# KiCad board sun3_60_layout2_routing2.kicad_pcb
title: SUN 3/60; date: 2025-03-08; rev: 1
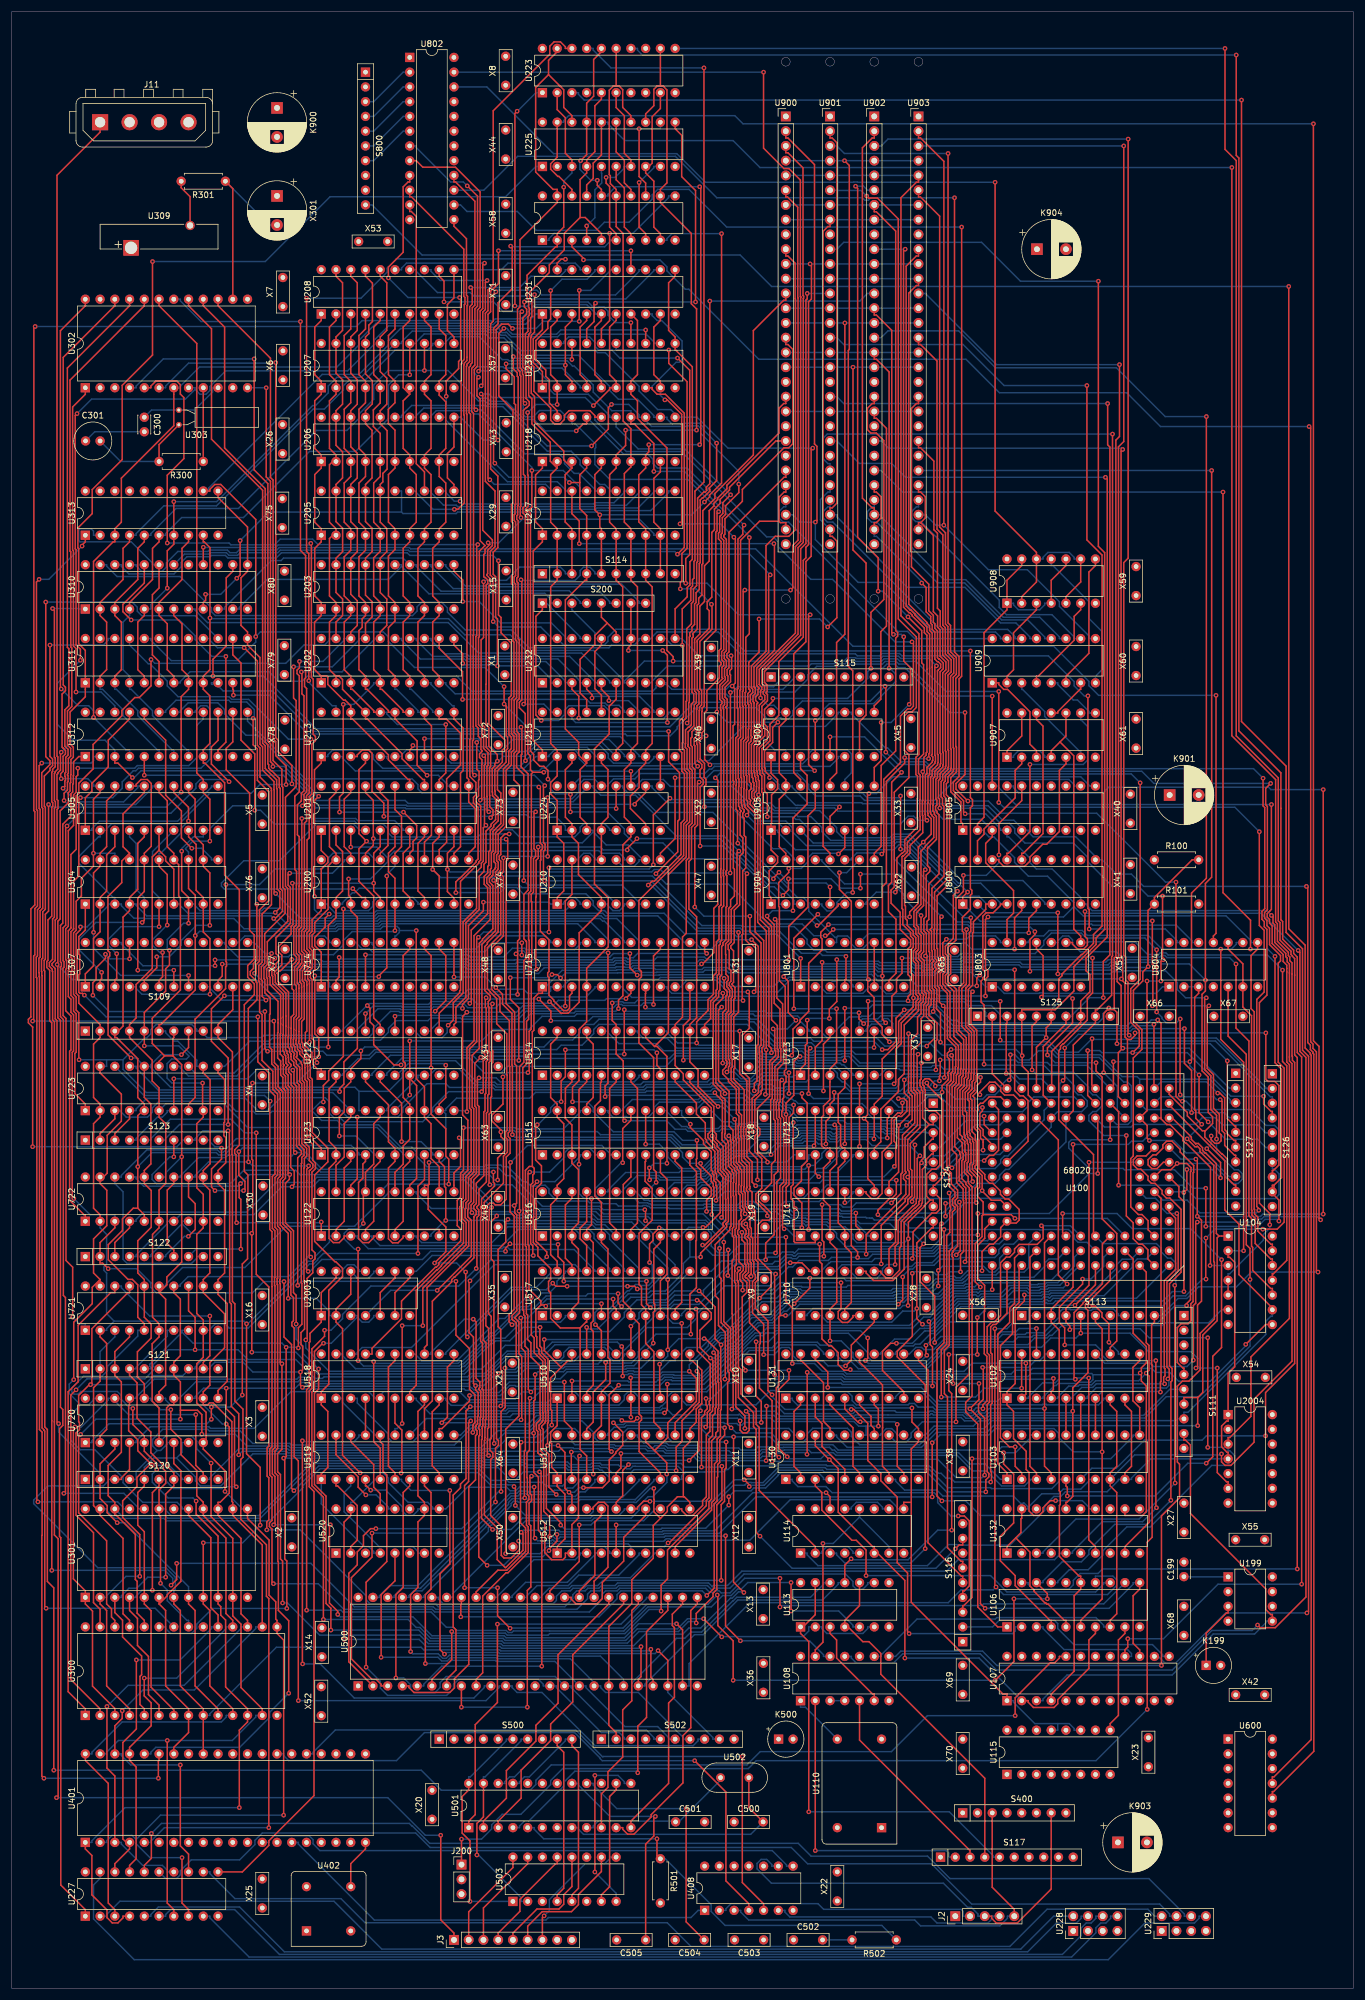
[diagram p0: board, top side]
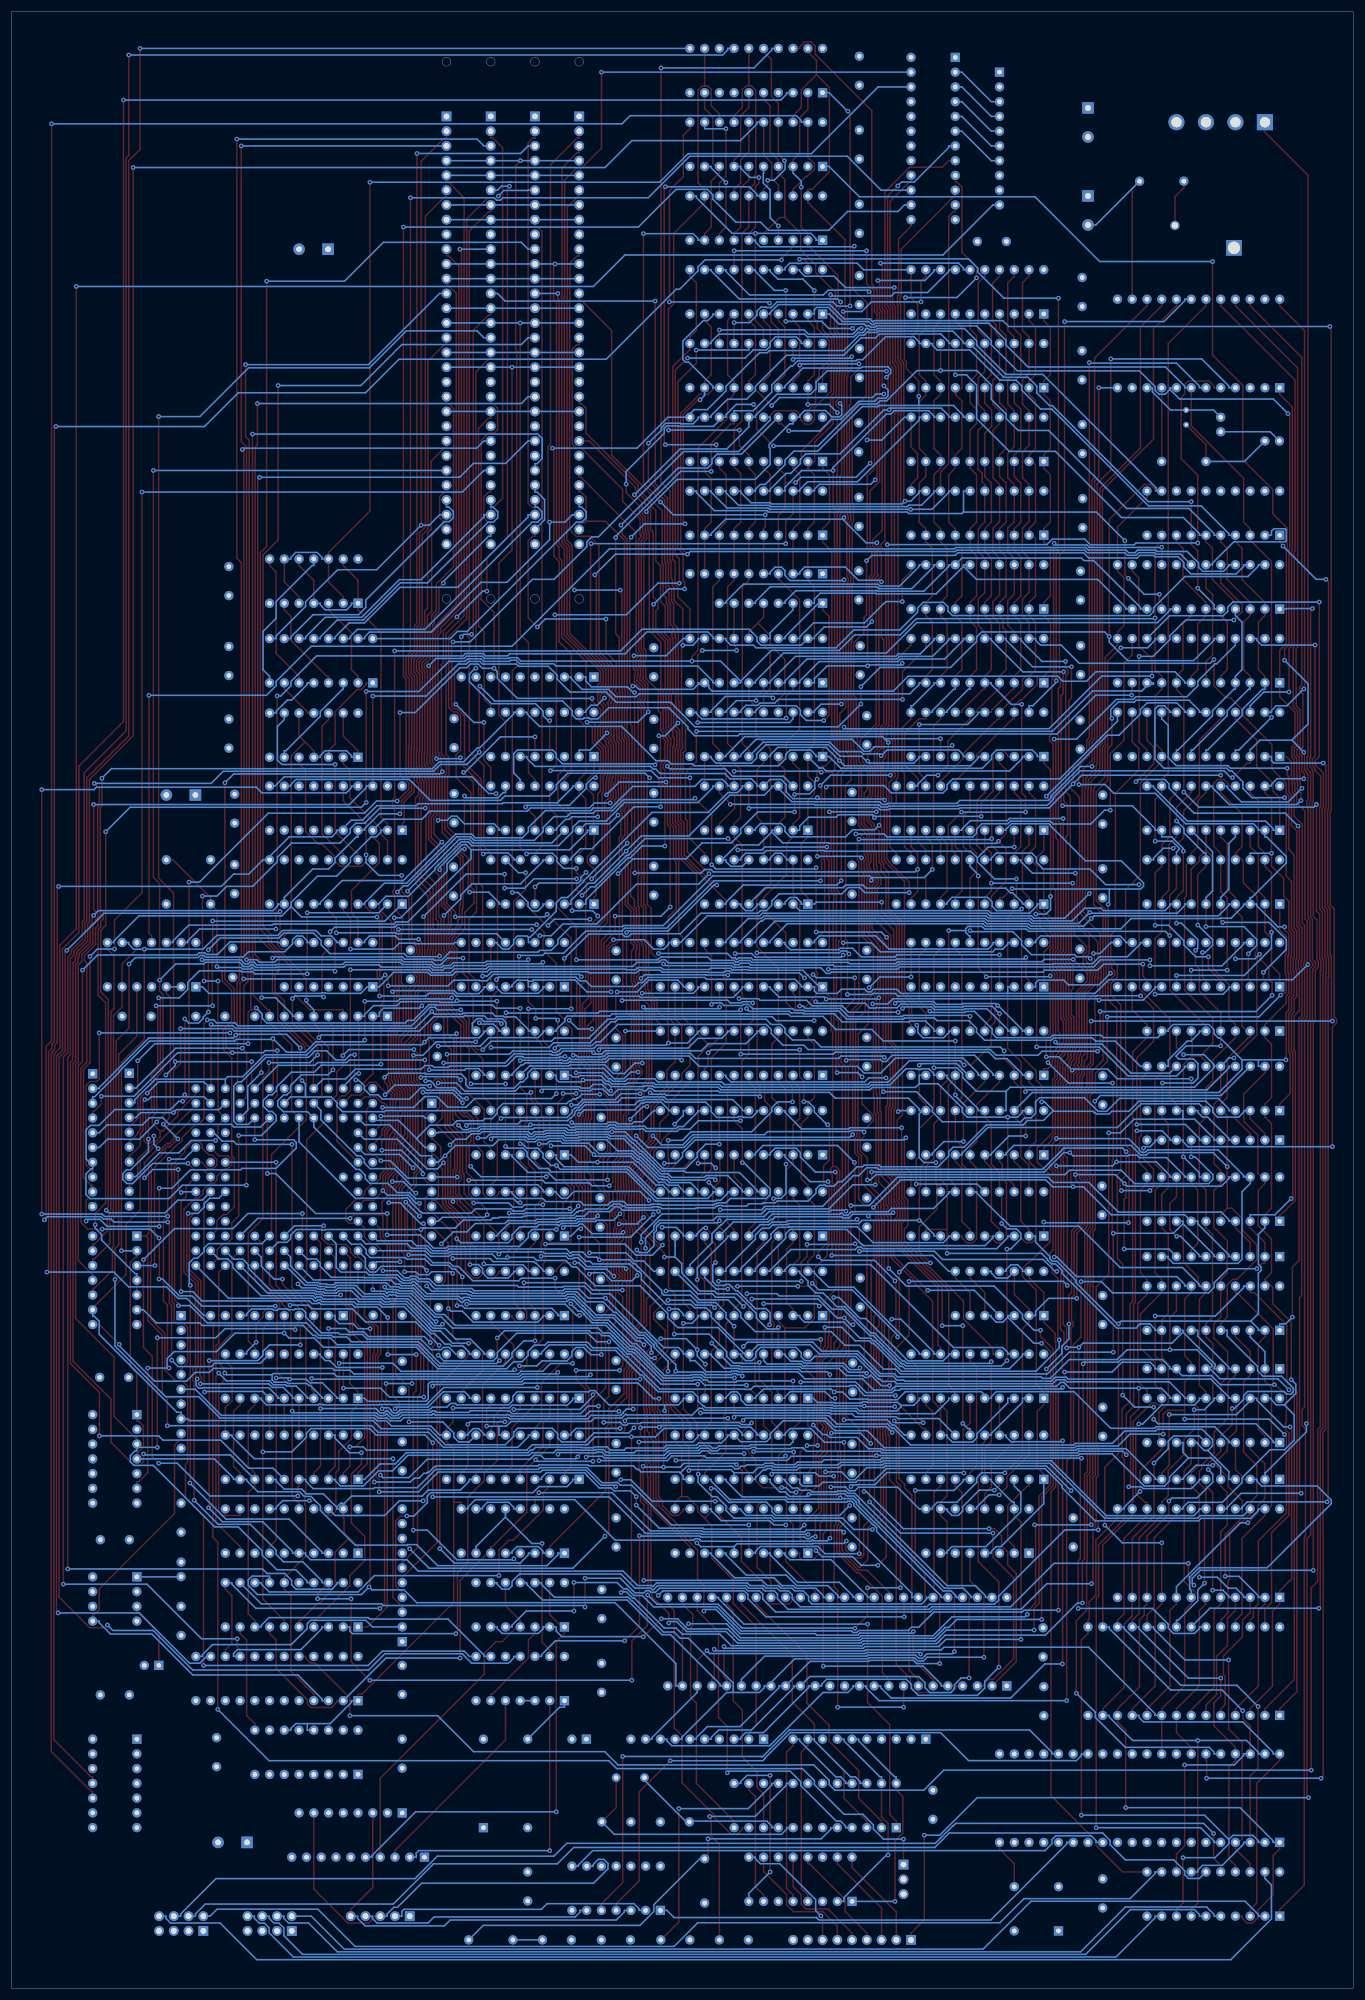
[diagram p1: board, bottom side, seen from below]

Outline 231.14 x 340.36 mm; copper layers: Top, In1.Cu, In2.Cu, Bottom. Coordinates in mm from the lower left corner of the outline.
Outline path: rectangle 0,340.36 231.14,0 ; circle c133.37,331.73 r0.75 ; circle c133.37,239.25 r0.75 ; circle c140.99,331.73 r0.75 ; circle c140.99,239.25 r0.75 ; circle c148.6,331.73 r0.75 ; circle c148.6,239.25 r0.75 ; circle c156.22,331.73 r0.75 ; circle c156.22,239.25 r0.75
Stack: Top 0.035mm / dielectric 0.1mm FR4 er 4.5 / In1.Cu 0.035mm / dielectric 1.24mm FR4 er 4.5 / In2.Cu 0.035mm / dielectric 0.1mm FR4 er 4.5 / Bottom 0.035mm

## Placement (name value [footprint] x y rotation side)
C199  0.1UF  [C_Disc_D3.0mm_W2.0mm_P2.50mm]  201.94 70.9 90 top
C300  18-PF  [C_Disc_D3.0mm_W2.0mm_P2.50mm]  22.86 270.52 270 top
C301  9-35PF  [C_Radial_D6.3mm_H5.0mm_P2.50mm]  12.74 266.44 0 top
C500  20 pF  [C_Rect_L7.0mm_W2.0mm_P5.00mm]  124.46 28.67 0 top
C501  20 pF  [C_Rect_L7.0mm_W2.0mm_P5.00mm]  114.38 28.67 0 top
C502  680 pF  [C_Rect_L7.0mm_W2.0mm_P5.00mm]  134.7 8.35 0 top
C503  0.1uF  [C_Rect_L7.0mm_W2.0mm_P5.00mm]  129.54 8.35 180 top
C504  0.1uF  [C_Rect_L7.0mm_W2.0mm_P5.00mm]  119.3 8.35 180 top
C505  0.0056uF  [C_Rect_L7.0mm_W2.0mm_P5.00mm]  109.22 8.35 180 top
J2  Serial A/B  [PinHeader_1x05_P2.54mm_Vertical]  162.56 12.44 90 top
J3  Ethernet  [PinHeader_1x09_P2.54mm_Vertical]  76.2 8.35 90 top
J11  Conn_01x04_Pin  [TE_MATE-N-LOK_350211-1_1x04_P5.08mm_Vertical]  15.24 321.32 0 top
J200  DIAG  [PinHeader_1x03_P2.54mm_Vertical]  77.5 21.31 0 top
K199  10UF  [CP_Radial_Tantal_D6.0mm_P2.50mm]  205.78 55.62 0 top
K500  10 uF  [CP_Radial_Tantal_D6.0mm_P2.50mm]  132.12 42.92 0 top
K900  1000uF  [CP_Radial_D10.0mm_P5.00mm]  45.72 323.78 270 top
K901  1000uF  [CP_Radial_D10.0mm_P5.00mm]  199.49 205.48 0 top
K903  1000uF  [CP_Radial_D10.0mm_P5.00mm]  190.58 25.13 0 top
K904  1000uF  [CP_Radial_D10.0mm_P5.00mm]  176.62 299.46 0 top
R100  150 ohm  [R_Axial_DIN0207_L6.3mm_D2.5mm_P7.62mm_Horizontal]  196.87 194.32 0 top
R101  100 ohm  [R_Axial_DIN0207_L6.3mm_D2.5mm_P7.62mm_Horizontal]  196.87 186.7 0 top
R300  200Kohm  [R_Axial_DIN0207_L6.3mm_D2.5mm_P7.62mm_Horizontal]  33.02 262.9 180 top
R301  470-OHM  [R_Axial_DIN0207_L6.3mm_D2.5mm_P7.62mm_Horizontal]  36.83 311.16 180 top
R501  510 Ohm  [R_Axial_DIN0207_L6.3mm_D2.5mm_P7.62mm_Horizontal]  111.76 22.32 270 top
R502  3K Ohm  [R_Axial_DIN0207_L6.3mm_D2.5mm_P7.62mm_Horizontal]  152.4 8.35 180 top
S109  4.7k Ohm  [R_Array_SIP10]  12.7 164.84 0 top
S111  4.7k Ohm  [R_Array_SIP10]  201.94 115.84 270 top
S113  470 Ohm  [R_Array_SIP10]  174 115.84 0 top
S114  1k Ohm  [R_Array_SIP10]  91.44 243.58 0 top
S115  470 Ohm  [R_Array_SIP10]  130.82 225.8 0 top
S116  470 Ohm  [R_Array_SIP10]  163.84 59.7 90 top
S117  4.7k Ohm  [R_Array_SIP10]  160.02 22.6 0 top
S120  4.7k Ohm  [R_Array_SIP10]  12.7 87.64 0 top
S121  4.7k Ohm  [R_Array_SIP10]  12.7 106.68 0 top
S122  4.7k Ohm  [R_Array_SIP10]  12.7 126.01 0 top
S123  4.7k Ohm  [R_Array_SIP10]  12.7 146.06 0 top
S124  4.7k Ohm  [R_Array_SIP10]  158.77 152.4 270 top
S125  4.7k Ohm  [R_Array_SIP10]  166.38 167.38 0 top
S126  4.7k Ohm  [R_Array_SIP10]  217.18 157.48 270 top
S127  4.7k Ohm  [R_Array_SIP10]  210.86 157.56 270 top
S200  68 Ohm  [R_Array_SIP8]  91.44 238.5 0 top
S400  4.7K Ohm  [R_Array_SIP8]  163.84 30.22 0 top
S500  40.2 Ohm 1%  [R_Array_SIP10]  73.66 42.92 0 top
S502  1K Ohm  [R_Array_SIP10]  101.6 42.92 0 top
S800  4.7k Ohm  [R_Array_SIP10]  60.96 329.94 270 top
U100  -  [68020]  183.53 140.34 0 top
U102  PAL16L8  [DIP-20_W7.62mm]  171.47 101.6 90 top
U103  PAL16L8  [DIP-20_W7.62mm]  171.47 87.64 90 top
U104  74F04  [DIP-14_W7.62mm]  209.56 129.54 0 top
U106  PAL16L8  [DIP-20_W7.62mm]  171.47 62.24 90 top
U107  PAL20X10  [DIP-24_W7.62mm]  171.47 49.54 90 top
U108  74F00  [DIP-14_W7.62mm]  135.91 49.54 90 top
U110  40.000 Mhz  [Oscillator_DIP-14]  149.86 27.68 90 top
U113  74AS74  [DIP-14_W7.62mm]  135.91 62.24 90 top
U114  74F175  [DIP-16_W7.62mm]  135.91 74.94 90 top
U115  74LS590  [DIP-16_W7.62mm]  171.47 36.84 90 top
U122  ALS374  [DIP-20_W7.62mm]  53.34 129.54 90 top
U123  ALS373  [DIP-20_W7.62mm]  53.34 143.52 90 top
U130  74F374  [DIP-20_W7.62mm]  133.37 87.64 90 top
U131  PAL16R6  [DIP-20_W7.62mm]  133.37 101.6 90 top
U132  ALS244  [DIP-20_W7.62mm]  171.47 74.94 90 top
U199  7705  [DIP-8_W7.62mm]  209.56 70.86 0 top
U200  7188  [DIP-22_W7.62mm]  53.34 186.7 90 top
U201  7188  [DIP-22_W7.62mm]  53.34 199.4 90 top
U202  2168  [DIP-20_W7.62mm]  53.34 224.8 90 top
U203  2168  [DIP-20_W7.62mm]  53.34 237.5 90 top
U205  2168  [DIP-20_W7.62mm]  53.34 250.2 90 top
U206  2168  [DIP-20_W7.62mm]  53.34 262.9 90 top
U207  2168  [DIP-20_W7.62mm]  53.34 275.6 90 top
U208  2168  [DIP-20_W7.62mm]  53.34 288.3 90 top
U210  LS2518  [DIP-16_W7.62mm]  93.98 186.7 90 top
U212  ALS245  [DIP-20_W7.62mm]  53.34 157.22 90 top
U213  ALS245  [DIP-20_W7.62mm]  53.34 212.1 90 top
U215  ALS245  [DIP-20_W7.62mm]  91.44 212.1 90 top
U217  ALS245  [DIP-20_W7.62mm]  91.44 250.2 90 top
U218  ALS245  [DIP-20_W7.62mm]  91.44 262.9 90 top
U223  74F534  [DIP-20_W7.62mm]  91.44 326.4 90 top
U224  AM27S19  [DIP-16_W7.62mm]  93.98 199.4 90 top
U225  ALS273  [DIP-20_W7.62mm]  91.44 313.7 90 top
U226  ALS373  [DIP-20_W7.62mm]  91.44 301 90 top
U227  ALS273  [DIP-20_W7.62mm]  12.7 12.44 90 top
U228  LED_Block  [PinHeader_2x04_P2.54mm_Vertical]  182.88 9.9 90 top
U229  LED_Block  [PinHeader_2x04_P2.54mm_Vertical]  198.12 9.9 90 top
U230  PAL16L8  [DIP-20_W7.62mm]  91.44 275.6 90 top
U231  PAL16L8  [DIP-20_W7.62mm]  91.44 288.3 90 top
U232  PAL16L8  [DIP-20_W7.62mm]  91.44 224.8 90 top
U300  27512  [DIP-28_W15.24mm]  12.7 47 90 top
U301  28C16  [DIP-24_W15.24mm]  12.7 67.32 90 top
U302  7170  [DIP-24_W15.24mm]  12.7 275.6 90 top
U303  32768Hz  [Crystal_AT310_D3.0mm_L10.0mm_Horizontal]  28.81 269.22 90 top
U304  ALS273  [DIP-20_W7.62mm]  12.7 186.7 90 top
U305  ALS373  [DIP-20_W7.62mm]  12.7 199.4 90 top
U307  PAL20L8  [DIP-24_W7.62mm]  12.7 172.46 90 top
U309  3-VOLT  [Battery_Panasonic_CR2032-VS1N_Vertical_CircularHoles]  20.57 299.69 0 top
U310  PAL20L8  [DIP-24_W7.62mm]  12.7 237.5 90 top
U311  PAL20L8  [DIP-24_W7.62mm]  12.7 224.8 90 top
U312  PAL8L14  [DIP-24_W7.62mm]  12.7 212.1 90 top
U313  PAL16R4  [DIP-20_W7.62mm]  12.7 250.2 90 top
U401  Z8530  [DIP-40_W15.24mm]  12.7 25.13 90 top
U402  4.9152 Mhz  [Oscillator_DIP-8]  50.8 9.9 0 top
U408  74LS04  [DIP-14_W7.62mm]  119.38 13.43 90 top
U500  AM7990  [DIP-48_W15.24mm]  59.7 52.08 90 top
U501  AM7992  [DIP-24_W7.62mm]  78.74 27.68 90 top
U502  20 Mhz  [Crystal_HC49-U_Vertical]  122.12 36.29 0 top
U503  TRANSF  [DIP-16_W7.62mm]  86.36 14.98 90 top
U510  ALS373  [DIP-20_W7.62mm]  93.98 101.6 90 top
U511  ALS373  [DIP-20_W7.62mm]  93.98 87.64 90 top
U512  ALS373  [DIP-20_W7.62mm]  93.98 74.94 90 top
U514  ALS652  [DIP-24_W7.62mm]  91.44 157.22 90 top
U515  ALS652  [DIP-24_W7.62mm]  91.44 143.52 90 top
U516  ALS652  [DIP-24_W7.62mm]  91.44 129.54 90 top
U517  ALS652  [DIP-24_W7.62mm]  91.44 115.84 90 top
U518  PAL16L8  [DIP-20_W7.62mm]  53.34 101.6 90 top
U519  PAL16L8  [DIP-20_W7.62mm]  53.34 87.64 90 top
U520  74F175  [DIP-16_W7.62mm]  55.88 74.94 90 top
U600  74F04  [DIP-14_W7.62mm]  209.56 42.92 0 top
U710  AS286  [DIP-14_W7.62mm]  135.91 115.84 90 top
U711  AS286  [DIP-14_W7.62mm]  135.91 129.54 90 top
U712  AS286  [DIP-14_W7.62mm]  135.91 143.52 90 top
U713  AS286  [DIP-14_W7.62mm]  135.91 157.22 90 top
U714  PAL16L8  [DIP-20_W7.62mm]  53.34 172.46 90 top
U715  PAL20R4  [DIP-24_W7.62mm]  91.44 172.46 90 top
U720  ALS374  [DIP-20_W7.62mm]  12.7 93.98 90 top
U721  ALS374  [DIP-20_W7.62mm]  12.7 113.31 90 top
U722  ALS374  [DIP-20_W7.62mm]  12.7 132.08 90 top
U723  ALS374  [DIP-20_W7.62mm]  12.7 151.14 90 top
U800  PAL16L8  [DIP-20_W7.62mm]  163.84 186.7 90 top
U801  74AS257  [DIP-16_W7.62mm]  135.91 172.46 90 top
U802  PAL20L8  [DIP-24_W7.62mm]  68.58 332.48 0 top
U803  74F64  [DIP-14_W7.62mm]  168.93 172.46 90 top
U804  74F64  [DIP-14_W7.62mm]  199.4 172.46 90 top
U805  PAL16L8  [DIP-20_W7.62mm]  163.84 199.4 90 top
U900  SIMM  [PinHeader_1x30_P2.54mm_Vertical]  133.37 322.31 0 top
U901  SIMM  [PinHeader_1x30_P2.54mm_Vertical]  140.99 322.31 0 top
U902  SIMM  [PinHeader_1x30_P2.54mm_Vertical]  148.6 322.31 0 top
U903  SIMM  [PinHeader_1x30_P2.54mm_Vertical]  156.22 322.31 0 top
U904  74AS258  [DIP-16_W7.62mm]  130.82 186.7 90 top
U905  74AS258  [DIP-16_W7.62mm]  130.82 199.4 90 top
U906  74AS258  [DIP-16_W7.62mm]  130.82 212.1 90 top
U907  AS1032  [DIP-14_W7.62mm]  171.47 211.97 90 top
U908  AS1032  [DIP-14_W7.62mm]  171.47 238.5 90 top
U909  22 Ohm  [DIP-16_W7.62mm]  168.93 224.79 90 top
U2003  74AS04  [DIP-14_W7.62mm]  53.34 115.84 90 top
U2004  74LS125  [DIP-14_W7.62mm]  209.56 98.8 0 top
X1  0.1uF  [C_Rect_L7.0mm_W2.0mm_P5.00mm]  84.96 226.16 90 top
X2  0.1uF  [C_Rect_L7.0mm_W2.0mm_P5.00mm]  48.26 76.01 90 top
X3  0.1uF  [C_Rect_L7.0mm_W2.0mm_P5.00mm]  43.18 95.06 90 top
X4  0.1uF  [C_Rect_L7.0mm_W2.0mm_P5.00mm]  43.18 152.14 90 top
X5  0.1uF  [C_Rect_L7.0mm_W2.0mm_P5.00mm]  43.18 200.48 90 top
X6  0.1uF  [C_Rect_L7.0mm_W2.0mm_P5.00mm]  46.74 276.96 90 top
X7  0.1uF  [C_Rect_L7.0mm_W2.0mm_P5.00mm]  46.73 289.58 90 top
X8  0.1uF  [C_Rect_L7.0mm_W2.0mm_P5.00mm]  85.11 327.68 90 top
X9  0.1uF  [C_Rect_L7.0mm_W2.0mm_P5.00mm]  129.7 117.1 90 top
X10  0.1uF  [C_Rect_L7.0mm_W2.0mm_P5.00mm]  127 103.08 90 top
X11  0.1uF  [C_Rect_L7.0mm_W2.0mm_P5.00mm]  127 88.82 90 top
X12  0.1uF  [C_Rect_L7.0mm_W2.0mm_P5.00mm]  127 76.01 90 top
X13  0.1uF  [C_Rect_L7.0mm_W2.0mm_P5.00mm]  129.47 63.67 90 top
X14  0.1uF  [C_Rect_L7.0mm_W2.0mm_P5.00mm]  53.45 57.09 90 top
X15  0.1uF  [C_Rect_L7.0mm_W2.0mm_P5.00mm]  85.2 239.08 90 top
X16  0.1uF  [C_Rect_L7.0mm_W2.0mm_P5.00mm]  43.18 114.3 90 top
X17  0.1uF  [C_Rect_L7.0mm_W2.0mm_P5.00mm]  127 158.66 90 top
X18  0.1uF  [C_Rect_L7.0mm_W2.0mm_P5.00mm]  129.6 144.97 90 top
X19  0.1uF  [C_Rect_L7.0mm_W2.0mm_P5.00mm]  129.77 131.09 90 top
X20  0.1uF  [C_Rect_L7.0mm_W2.0mm_P5.00mm]  72.43 29.12 90 top
X21  0.1uF  [C_Rect_L7.0mm_W2.0mm_P5.00mm]  86.25 102.68 90 top
X22  0.1uF  [C_Rect_L7.0mm_W2.0mm_P5.00mm]  142.24 15.06 90 top
X23  0.1uF  [C_Rect_L7.0mm_W2.0mm_P5.00mm]  195.83 38.17 90 top
X24  0.1uF  [C_Rect_L7.0mm_W2.0mm_P5.00mm]  163.84 102.97 90 top
X25  0.1uF  [C_Rect_L7.0mm_W2.0mm_P5.00mm]  43.18 13.85 90 top
X26  0.1uF  [C_Rect_L7.0mm_W2.0mm_P5.00mm]  46.67 264.26 90 top
X27  0.1uF  [C_Rect_L7.0mm_W2.0mm_P5.00mm]  201.94 78.56 90 top
X28  0.1uF  [C_Rect_L7.0mm_W2.0mm_P5.00mm]  157.6 117.21 90 top
X29  0.1uF  [C_Rect_L7.0mm_W2.0mm_P5.00mm]  85.16 251.73 90 top
X30  0.1uF  [C_Rect_L7.0mm_W2.0mm_P5.00mm]  43.31 133.16 90 top
X31  0.1uF  [C_Rect_L7.0mm_W2.0mm_P5.00mm]  127 173.65 90 top
X32  0.1uF  [C_Rect_L7.0mm_W2.0mm_P5.00mm]  120.52 200.81 90 top
X33  0.1uF  [C_Rect_L7.0mm_W2.0mm_P5.00mm]  154.91 200.71 90 top
X34  0.1uF  [C_Rect_L7.0mm_W2.0mm_P5.00mm]  83.82 158.74 90 top
X35  0.1uF  [C_Rect_L7.0mm_W2.0mm_P5.00mm]  84.96 117.31 90 top
X36  0.1uF  [C_Rect_L7.0mm_W2.0mm_P5.00mm]  129.5 50.98 90 top
X37  0.1uF  [C_Rect_L7.0mm_W2.0mm_P5.00mm]  157.82 160.47 90 top
X38  0.1uF  [C_Rect_L7.0mm_W2.0mm_P5.00mm]  163.84 89.12 90 top
X39  0.1uF  [C_Rect_L7.0mm_W2.0mm_P5.00mm]  120.53 225.84 90 top
X40  0.1uF  [C_Rect_L7.0mm_W2.0mm_P5.00mm]  192.72 200.63 90 top
X41  0.1uF  [C_Rect_L7.0mm_W2.0mm_P5.00mm]  192.72 188.49 90 top
X42  0.1uF  [C_Rect_L7.0mm_W2.0mm_P5.00mm]  210.86 50.54 0 top
X43  0.1uF  [C_Rect_L7.0mm_W2.0mm_P5.00mm]  85.22 264.56 90 top
X44  0.1uF  [C_Rect_L7.0mm_W2.0mm_P5.00mm]  85.11 314.98 90 top
X45  0.1uF  [C_Rect_L7.0mm_W2.0mm_P5.00mm]  154.91 213.63 90 top
X46  0.1uF  [C_Rect_L7.0mm_W2.0mm_P5.00mm]  120.52 213.5 90 top
X47  0.1uF  [C_Rect_L7.0mm_W2.0mm_P5.00mm]  120.52 188.22 90 top
X48  0.1uF  [C_Rect_L7.0mm_W2.0mm_P5.00mm]  83.82 173.73 90 top
X49  0.1uF  [C_Rect_L7.0mm_W2.0mm_P5.00mm]  83.82 131.08 90 top
X50  0.1uF  [C_Rect_L7.0mm_W2.0mm_P5.00mm]  86.36 76.01 90 top
X51  0.1uF  [C_Rect_L7.0mm_W2.0mm_P5.00mm]  193.04 174.08 90 top
X52  0.1uF  [C_Rect_L7.0mm_W2.0mm_P5.00mm]  53.34 46.95 90 top
X53  0.1uF  [C_Rect_L7.0mm_W2.0mm_P5.00mm]  59.78 300.78 0 top
X54  0.1uF  [C_Rect_L7.0mm_W2.0mm_P5.00mm]  210.98 105.21 0 top
X55  0.1uF  [C_Rect_L7.0mm_W2.0mm_P5.00mm]  210.85 77.26 0 top
X56  0.1uF  [C_Rect_L7.0mm_W2.0mm_P5.00mm]  163.84 115.9 0 top
X57  0.1uF  [C_Rect_L7.0mm_W2.0mm_P5.00mm]  85.07 277.34 90 top
X58  0.1uF  [C_Rect_L7.0mm_W2.0mm_P5.00mm]  85.11 302.2 90 top
X59  0.1uF  [C_Rect_L7.0mm_W2.0mm_P5.00mm]  193.71 239.81 90 top
X60  0.1uF  [C_Rect_L7.0mm_W2.0mm_P5.00mm]  193.71 226.04 90 top
X61  0.1uF  [C_Rect_L7.0mm_W2.0mm_P5.00mm]  193.71 213.55 90 top
X62  0.1uF  [C_Rect_L7.0mm_W2.0mm_P5.00mm]  155.02 188.09 90 top
X63  0.1uF  [C_Rect_L7.0mm_W2.0mm_P5.00mm]  83.82 144.86 90 top
X64  0.1uF  [C_Rect_L7.0mm_W2.0mm_P5.00mm]  86.36 88.72 90 top
X65  0.1uF  [C_Rect_L7.0mm_W2.0mm_P5.00mm]  162.43 173.78 90 top
X66  0.1uF  [C_Rect_L7.0mm_W2.0mm_P5.00mm]  194.41 167.38 0 top
X67  0.1uF  [C_Rect_L7.0mm_W2.0mm_P5.00mm]  207.1 167.38 0 top
X68  0.1uF  [C_Rect_L7.0mm_W2.0mm_P5.00mm]  201.94 60.78 90 top
X69  0.1uF  [C_Rect_L7.0mm_W2.0mm_P5.00mm]  163.84 50.62 90 top
X70  0.1uF  [C_Rect_L7.0mm_W2.0mm_P5.00mm]  163.84 37.92 90 top
X71  0.1uF  [C_Rect_L7.0mm_W2.0mm_P5.00mm]  85.12 289.9 90 top
X72  0.1uF  [C_Rect_L7.0mm_W2.0mm_P5.00mm]  83.82 214.12 90 top
X73  0.1uF  [C_Rect_L7.0mm_W2.0mm_P5.00mm]  86.36 200.94 90 top
X74  0.1uF  [C_Rect_L7.0mm_W2.0mm_P5.00mm]  86.36 188.4 90 top
X75  0.1uF  [C_Rect_L7.0mm_W2.0mm_P5.00mm]  46.63 251.51 90 top
X76  0.1uF  [C_Rect_L7.0mm_W2.0mm_P5.00mm]  43.18 187.78 90 top
X77  0.1uF  [C_Rect_L7.0mm_W2.0mm_P5.00mm]  47.11 173.93 90 top
X78  0.1uF  [C_Rect_L7.0mm_W2.0mm_P5.00mm]  47.08 213.37 90 top
X79  0.1uF  [C_Rect_L7.0mm_W2.0mm_P5.00mm]  46.99 226.2 90 top
X80  0.1uF  [C_Rect_L7.0mm_W2.0mm_P5.00mm]  47.01 239.03 90 top
X301  470UF  [CP_Radial_D10.0mm_P5.00mm]  45.72 308.62 270 top

## Library data of the parts
C199 C300 = -: ki_fp_filters: C_*
C500-C505 X1-X80 = -: Description: Unpolarized capacitor; ki_fp_filters: C_*
J2 = -: Description: Generic connector, single row, 01x05, script generated; ki_fp_filters: Connector*:*_1x??_*
J3 = -: Description: Generic connector, single row, 01x09, script generated; ki_fp_filters: Connector*:*_1x??_*
J11 = -: Description: Generic connector, single row, 01x04, script generated; ki_fp_filters: Connector*:*_1x??_*
J200 = -: Description: Momentary Switch, single pole double throw
K199 X301 = -: ki_fp_filters: CP_*
K500 = -: Description: Polarized capacitor, US symbol; ki_fp_filters: CP_*
K900 K901 K903 K904 = -: Description: 10V; ki_fp_filters: CP_*
R100 R101 R300 R301 = -: ki_fp_filters: R_*
R501 R502 = -: Description: Resistor, US symbol; ki_fp_filters: R_*
S109 S111 S113-S117 S120-S127 S500 S502 S800 = -: Datasheet: http://www.vishay.com/docs/31509/csc.pdf; Description: 9 resistor network, star topology, bussed resistors, small symbol; ki_fp_filters: R?Array?SIP*
S200 S400 = -: Datasheet: http://www.vishay.com/docs/31509/csc.pdf; Description: 4 resistor network, parallel topology, SIP package; ki_fp_filters: R?Array?SIP*
U102 U230-U232 = -: Description: Programmable Logic Array, DIP-20; Speed: 15-nsec; ki_fp_filters: DIP* PDIP*
U103 = -: Description: Programmable Logic Array, DIP-20; Speed: 10-nsec; ki_fp_filters: DIP* PDIP*
U104 U2003 = -: Datasheet: http://www.ti.com/lit/gpn/sn74LS04; ki_fp_filters: DIP*W7.62mm* SSOP?14* TSSOP?14*
U106 U518 U519 U714 U800 U805 = -: Description: Programmable Logic Array, DIP-20; ki_fp_filters: DIP* PDIP*
U107 = -: Datasheet: https://www.bg-electronics.de/datenblaetter/Schaltkreise/PAL20X10.pdf
U108 = -: Datasheet: http://www.ti.com/lit/gpn/sn74ls00; Description: quad 2-input NAND gate; ki_fp_filters: DIP*W7.62mm* SO14*
U110 = -: Datasheet: http://www.conwin.com/datasheets/cx/cx030.pdf; ki_fp_filters: Oscillator*DIP*14*
U113 = -: Datasheet: 74xx/74hc_hct74.pdf; ki_fp_filters: DIP*W7.62mm*
U114 = -: Datasheet: http://www.ti.com/lit/gpn/sn74LS175; ki_fp_filters: DIP?16*
U115 = -: Datasheet: http://www.ti.com/lit/gpn/sn74ls590; ki_fp_filters: DIP*W7.62mm* SOIC*3.9x9.9mm*P1.27mm* TSSOP*4.4x5mm*P0.65mm* SOIC*5.3x10.2mm*P1.27mm* SOIC*7.5x10.3mm*P1.27mm*
U130 = -: Datasheet: https://www.ti.com/lit/ds/symlink/sn74f374.pdf
U131 U313 = -: Datasheet: https://www.ti.com/lit/ds/symlink/pal16r4am.pdf
U132 = -: Datasheet: https://www.ti.com/lit/ds/symlink/sn54als240a.pdf
U199 = -: Datasheet: https://www.ti.com/lit/ds/symlink/tl7705a.pdf
U200 U201 = -: Speed: 35-nsec
U202 U203 U205-U208 = -: Speed: 25-nsec
U212 = -: Datasheet: http://www.ti.com/lit/gpn/sn74LS245; Description: Octal BUS Transceivers, 3-State outputs; ki_fp_filters: DIP?20*
U213 U215 U217 U218 = -: Datasheet: http://www.ti.com/lit/gpn/sn74LS245; ki_fp_filters: DIP?20*
U223 = -: Datasheet: https://www.mouser.com/datasheet/2/302/74F534-50105.pdf
U228 U229 = -: Description: 4 LED; ki_fp_filters: HDSP?48*
U300 = -: Datasheet: http://pdf.datasheetcatalog.com/datasheets/120/227190_DS.pdf; ki_fp_filters: DIP*W15.24mm*
U301 = -: Datasheet: http://ww1.microchip.com/downloads/en/DeviceDoc/doc0006.pdf; ki_fp_filters: DIP*W15.24mm* SOIC*7.5x17.9mm*P1.27mm*
U302 = -: Datasheet: https://xdevs.com/doc/Fluke/5700a/pdf/icm7170.pdf
U303 = -: ki_fp_filters: Crystal*
U307 U310 U802 = -: Description: Programmable Logic Array, DIP-24; ki_fp_filters: DIP* PDIP*
U309 = -: Description: Single-cell battery
U311 = -: Description: Programmable Logic Array, DIP-24; Speed: 15-nsec; ki_fp_filters: DIP* PDIP*
U401 = -: Description: SCC Serial Communication Controller, DIP-40; ki_fp_filters: DIP* PDIP*
U402 = -: Datasheet: http://cdn-reichelt.de/documents/datenblatt/B400/OSZI.pdf; Description: Crystal Clock Oscillator, DIP8-style metal package; ki_fp_filters: Oscillator*DIP*8*
U408 U600 = -: Datasheet: http://www.ti.com/lit/gpn/sn74LS04; Description: Hex Inverter; ki_fp_filters: DIP*W7.62mm* SSOP?14* TSSOP?14*
U502 = -: Description: Two pin crystal; ki_fp_filters: Crystal*
U520 = -: Datasheet: http://www.ti.com/lit/gpn/sn74LS175; Description: 4-bit D Flip-Flop, reset; ki_fp_filters: DIP?16*
U710-U713 = -: Datasheet: https://www.ti.com/lit/ds/symlink/sn74as286.pdf?ts=1740375688722
U801 = -: Datasheet: https://www.ti.com/lit/ds/symlink/sn54als257a.pdf?ts=1740512058610
U803 U804 = -: Datasheet: https://media.digikey.com/pdf/Data%20Sheets/Fairchild%20PDFs/74F64.pdf
U907 U908 = -: Datasheet: https://www.ti.com/lit/ds/sdas072b/sdas072b.pdf; Description: quad 2-input OR buffer/driver; ki_fp_filters: DIP*W7.62mm* SO14*
U909 = -: Description: 8 resistor network, parallel topology; ki_fp_filters: DIP* SOIC* R*Array*Concave* R*Array*Convex*
U2004 = -: Datasheet: https://www.ti.com/lit/ds/symlink/sn74ls125a.pdf; ki_fp_filters: DIP*W7.62mm*
